# Altium PCB RTM_SFP.PcbDoc (part 5 of 7) (continued)
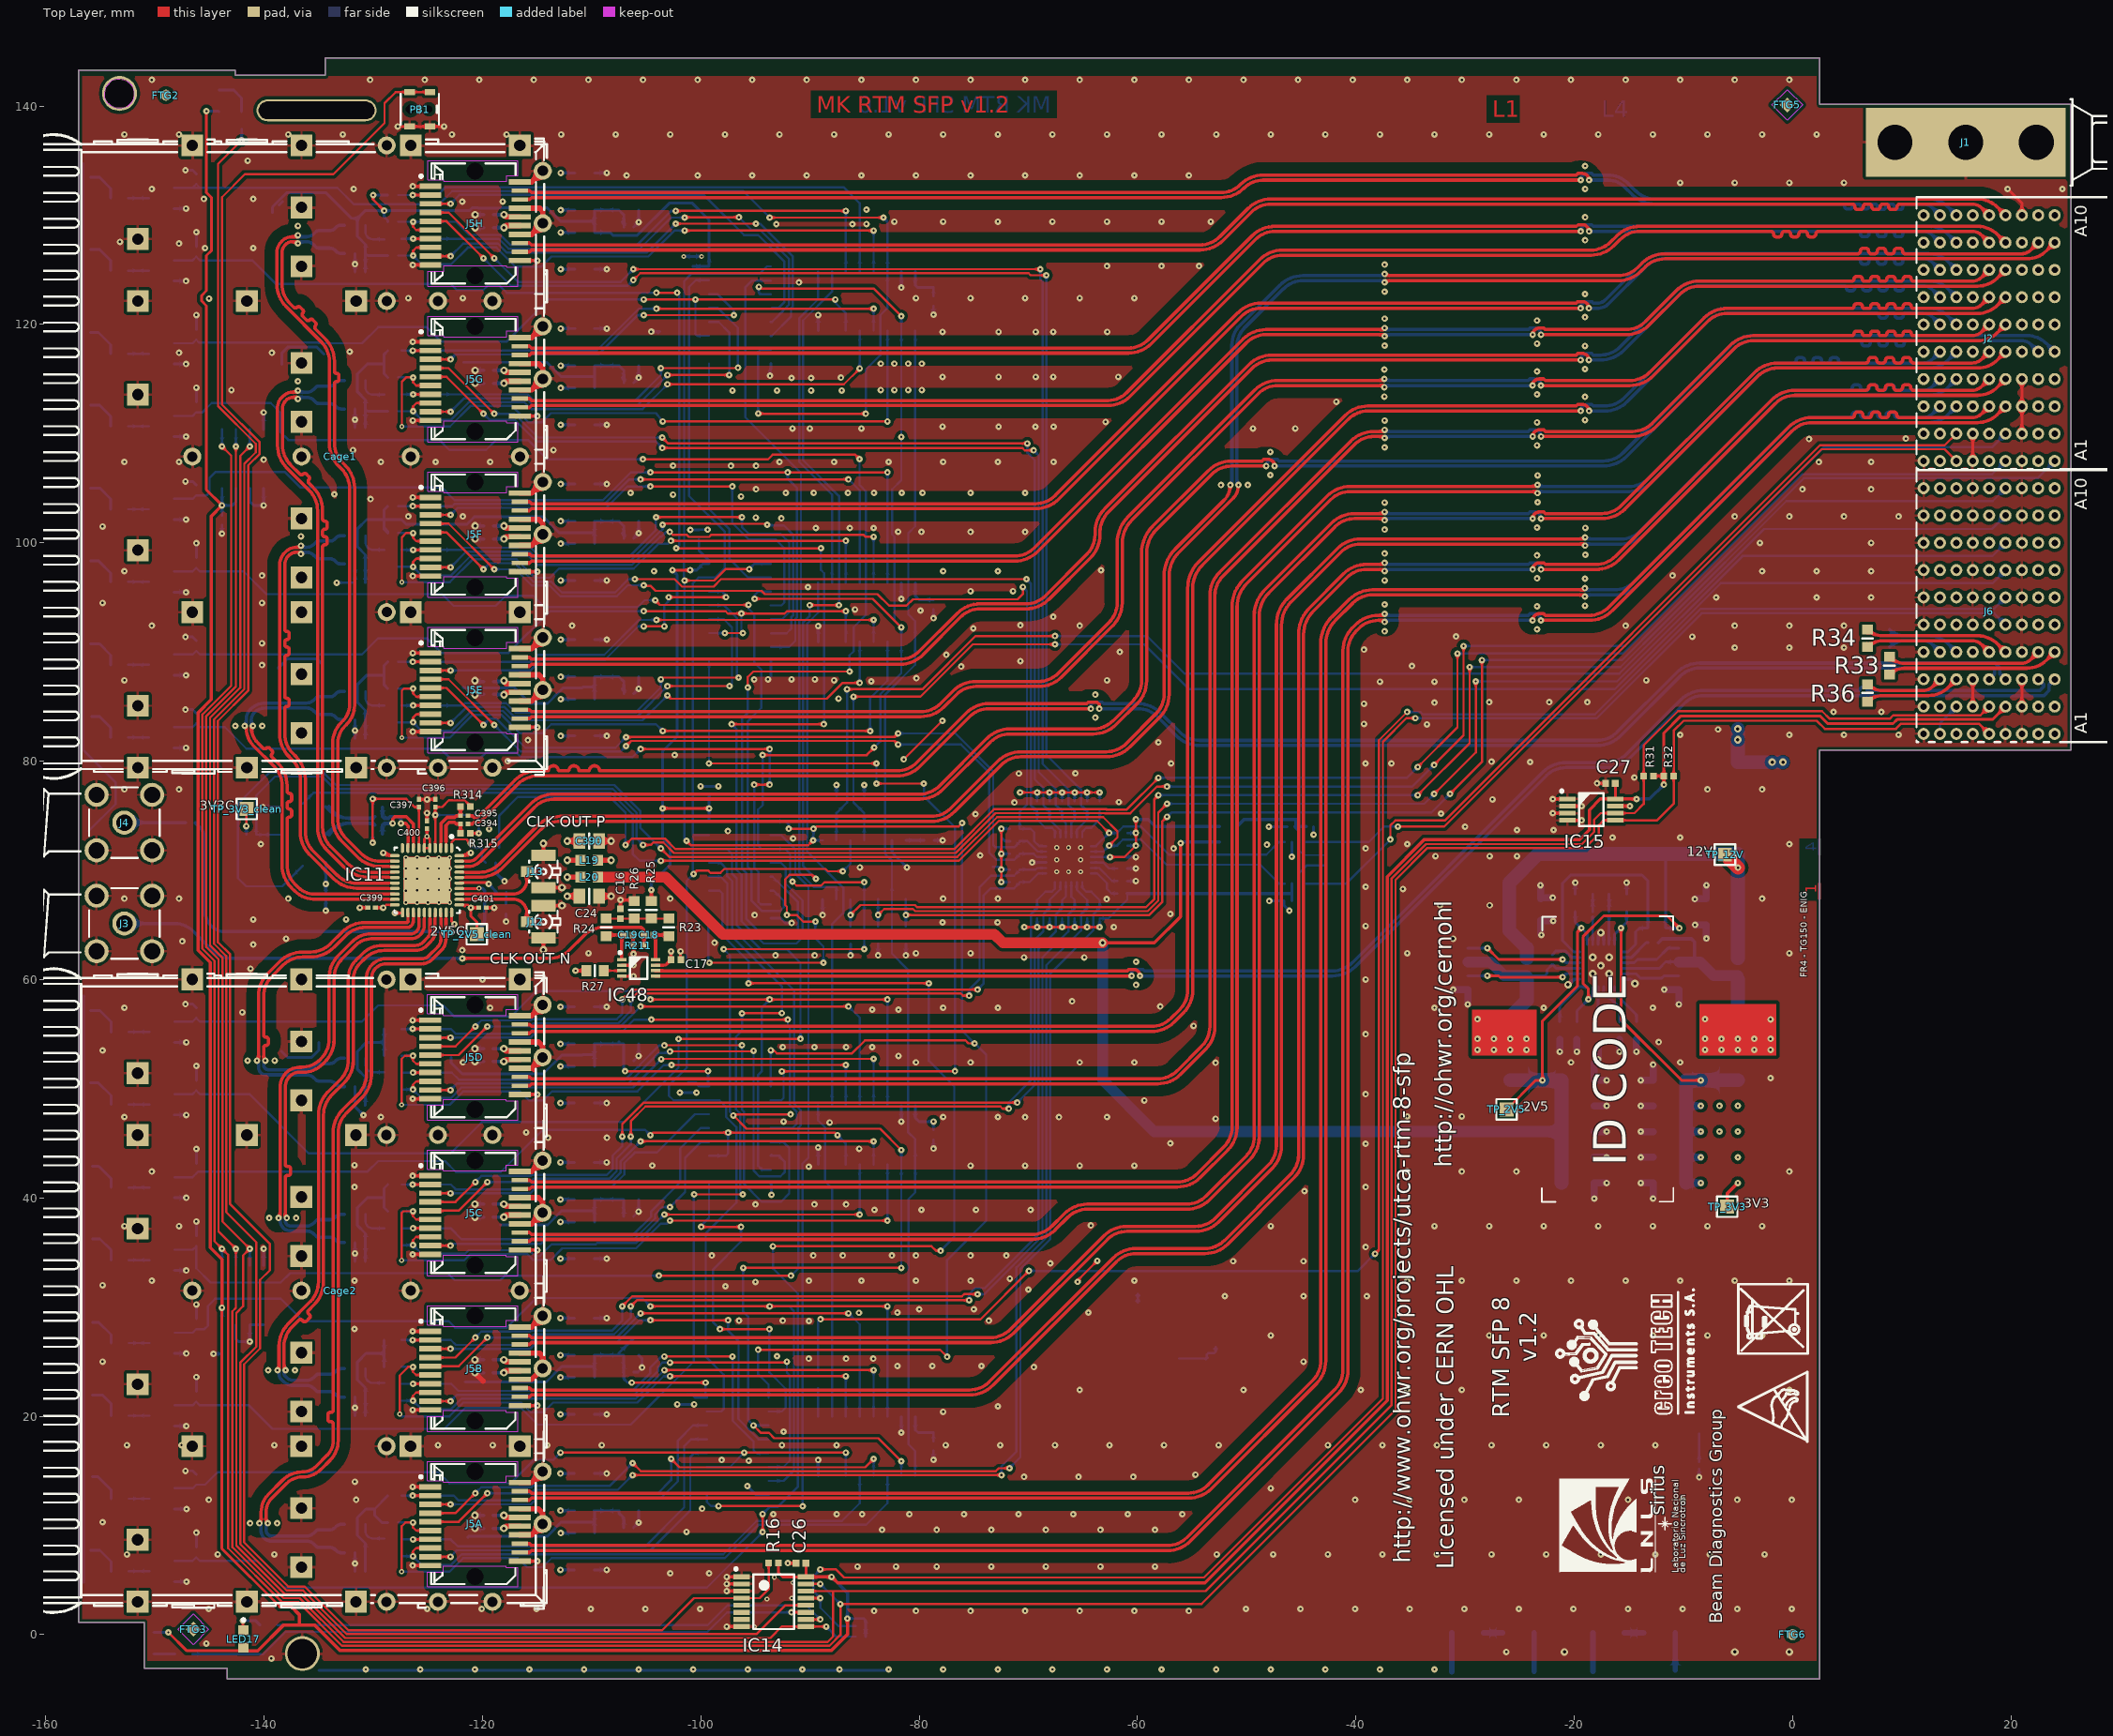
[diagram p0: Top Layer view]
## Nets (pads, with @x,y where several pads share a name; then routed paths per layer and width w, separated by ;. In a path a pad name is that pad's centre, name@x,y a point inside that pad or via, vN(x,y) a via of type N, cw(c..) or ccw(c..) an arc to the next point about the centre after c; other vN are vias at no path point) (continued)
  Bottom Layer w0.305: v1(-19.01,99.745) -18.862,99.893 -15.696,99.893 ccw(c-15.696,102.876) -13.587,100.767 -1.585,112.769 cw(c0.211,110.973) 0.211,113.513 12.461,113.513 ccw(c12.461,116.053) 14.257,114.257 J2.E4@15,115
SFP8RX_N: J2.D3 J5A.12 | length 219.3
  Top Layer w0.305: J5A.12@-116.59,7.526 -115.681,7.526 -115.509,7.698 -57.237,7.698 ccw(c-57.237,10.605) -55.18,8.549 -41.599,22.131 ccw(c-43.699,24.231) -40.729,24.231 -40.729,90.117 cw(c-38.189,90.117) -39.985,91.913 -39.746,92.152 cw(c-37.949,90.356) -37.949,92.896 -37.521,92.896 v1(-37.373,92.748) ; v1(-23.811,92.896) cw(c-23.207,92.896) -23.207,93.501 -22.801,93.501 -22.653,93.353 -18.645,93.353 ccw(c-18.645,95.893) -16.849,94.097 -0.345,110.602 cw(c1.751,108.507) 1.751,111.47 5.425,111.47 ccw(c5.42,111.725) 5.675,111.725 cw(c5.925,111.725) 5.925,111.975 6.18,111.975 cw(c6.18,111.725) 6.43,111.725 ccw(c6.685,111.725) 6.685,111.47 6.98,111.47 ccw(c6.975,111.725) 7.23,111.725 cw(c7.48,111.725) 7.48,111.975 7.735,111.975 cw(c7.735,111.725) 7.985,111.725 ccw(c8.24,111.725) 8.24,111.47 8.535,111.47 ccw(c8.53,111.725) 8.785,111.725 cw(c9.035,111.725) 9.035,111.975 9.29,111.975 cw(c9.29,111.725) 9.54,111.725 ccw(c9.795,111.725) 9.795,111.47 16.439,111.47 ccw(c16.439,112.752) 17.345,111.845 J2.D3@18,112.5
  Bottom Layer w0.305: v1(-37.373,92.748) -37.226,92.896 v1(-23.811,92.896)
SFP8RX_P: J2.C3 J5A.13 | length 219.2
  Top Layer w0.305: J5A.13@-116.59,8.326 -115.681,8.326 -115.509,8.155 -57.274,8.155 ccw(c-57.274,10.695) -55.478,8.899 -41.93,22.446 ccw(c-43.726,24.242) -41.186,24.242 -41.186,90.124 cw(c-38.207,90.124) -40.313,92.231 -40.056,92.488 cw(c-37.967,90.398) -37.967,93.353 -37.521,93.353 v1(-37.373,93.501) ; v1(-23.051,92.896) -18.636,92.896 ccw(c-18.636,95.871) -16.533,93.767 -0.031,110.269 cw(c1.765,108.473) 1.765,111.013 16.961,111.013 ccw(c16.961,113.553) 18.757,111.757 J2.C3@19.5,112.5
  Bottom Layer w0.305: v1(-37.373,93.501) -37.226,93.353 -24.21,93.353 -24.062,93.501 -23.656,93.501 cw(c-23.656,92.896) v1(-23.051,92.896)
SFP8TX_N: J2.F3 J5A.19 | length 212.4
  Top Layer w0.305: J5A.19@-116.59,13.126 -115.681,13.126 -115.509,12.955 -55.347,12.955 ccw(c-55.347,15.495) -53.551,13.699 -43.962,23.288 ccw(c-45.758,25.084) -43.218,25.084 -43.218,90.787 cw(c-39.807,90.787) -42.219,93.199 -40.597,94.821 cw(c-38.498,92.722) -38.498,95.69 -19.178,95.69 v1(-19.03,95.838)
  Bottom Layer w0.305: v1(-19.03,95.838) -18.882,95.69 -16.309,95.69 ccw(c-16.309,98.23) -14.513,96.434 -0.351,110.596 cw(c1.76,108.485) 1.76,111.47 5.209,111.47 ccw(c5.209,111.725) 5.464,111.725 cw(c5.704,111.725) 5.704,111.965 5.979,111.965 cw(c5.979,111.725) 6.219,111.725 ccw(c6.474,111.725) 6.474,111.47 6.764,111.47 ccw(c6.764,111.725) 7.019,111.725 cw(c7.259,111.725) 7.259,111.965 7.534,111.965 cw(c7.534,111.725) 7.774,111.725 ccw(c8.029,111.725) 8.029,111.47 8.319,111.47 ccw(c8.319,111.725) 8.574,111.725 cw(c8.814,111.725) 8.814,111.965 9.089,111.965 cw(c9.089,111.725) 9.329,111.725 ccw(c9.584,111.725) 9.579,111.47 11.939,111.47 ccw(c11.939,112.752) 12.845,111.845 J2.F3@13.5,112.5
SFP8TX_P: J2.E3 J5A.18 | length 212.4
  Top Layer w0.305: J5A.18@-116.59,12.326 -115.681,12.326 -115.509,12.498 -55.327,12.498 ccw(c-55.327,15.446) -53.242,13.361 -43.636,22.968 ccw(c-45.748,25.08) -42.761,25.08 -42.761,90.769 cw(c-39.764,90.769) -41.883,92.888 -40.283,94.489 cw(c-38.486,92.693) -38.486,95.233 -19.178,95.233 v1(-19.03,95.085) v1@-19.03,95.143
  Bottom Layer w0.305: v1(-19.03,95.085) -18.882,95.233 -16.299,95.233 ccw(c-16.299,98.207) -14.196,96.104 -0.031,110.269 cw(c1.765,108.473) 1.765,111.013 12.461,111.013 ccw(c12.461,113.553) 14.257,111.757 J2.E3@15,112.5
SFP_CLK1.CLOCK_N: IC11.13 IC20H.4 R105H.2 | length 70
  Top Layer w0.254: -128.632,70.361 -128.611,70.34 IC11.13@-128.08,70.34
  Top Layer w0.305: -138.41,127.6 ccw(c-137.396,126.586) -138.83,126.586 -138.83,123.71 ccw(c-135.844,123.71) -137.955,121.598 -134.771,118.414 cw(c-136.567,116.618) -134.027,116.618 -134.027,109.113 ccw(c-131.067,109.113) -133.16,107.02 -132.924,106.784 cw(c-134.72,104.988) -132.18,104.988 -132.18,85.191 cw(c-134.331,85.191) -132.81,83.67 -132.96,83.52 ccw(c-131.126,81.686) -133.72,81.686 -133.72,74.716 ccw(c-130.782,74.716) -132.859,72.638 ; -138.4,127.61 -138.343,127.667 cw(c-137.47,126.794) -137.47,128.029 -137.058,128.029 v1(-136.91,128.176) ; -132.859,72.638 -131.441,71.219 ; -131.441,71.219 ccw(c-129.37,73.291) -129.37,70.361 -128.632,70.361
  Bottom Layer w0.305: v1(-136.91,128.176) -136.762,128.029 -136.123,128.029 ccw(c-136.123,128.973) -135.455,128.305 -135.273,128.487 cw(c-135.001,128.215) -135.001,128.6 -133.986,128.6 ccw(c-133.986,129.266) -133.515,128.795 -133.408,128.902 cw(c-132.93,128.424) -132.93,129.1 IC20H.4@-132.63,129.1
SFP_CLK1.CLOCK_P: IC11.12 IC20H.3 R105H.1 | length 70
  Top Layer w0.254: -128.632,70.819 -128.611,70.84 IC11.12@-128.08,70.84
  Top Layer w0.305: -138.02,127.343 -138.082,127.281 ccw(c-137.381,126.58) -138.373,126.58 -138.373,123.714 ccw(c-135.833,123.714) -137.629,121.918 -137.281,121.57 ccw(c-137.136,121.715) -136.991,121.57 cw(c-136.839,121.418) -136.687,121.57 -136.464,121.347 cw(c-136.616,121.195) -136.464,121.043 ccw(c-136.319,120.898) -136.464,120.753 -136.125,120.415 ccw(c-135.98,120.56) -135.835,120.415 cw(c-135.683,120.263) -135.531,120.415 -135.309,120.192 cw(c-135.461,120.04) -135.309,119.888 ccw(c-135.164,119.743) -135.309,119.598 -134.446,118.736 cw(c-136.562,116.62) -133.57,116.62 -133.57,115.725 ccw(c-133.365,115.725) -133.365,115.52 cw(c-133.365,115.305) -133.15,115.305 -133.15,114.99 cw(c-133.365,114.99) -133.365,114.775 ccw(c-133.365,114.57) -133.57,114.57 -133.57,109.129 ccw(c-131.03,109.129) -132.826,107.333 -132.576,107.083 cw(c-134.637,105.022) -131.723,105.022 -131.723,85.11 cw(c-134.193,85.11) -132.446,83.364 -132.614,83.196 ccw(c-131.048,81.63) -133.263,81.63 -133.263,74.74 ccw(c-130.723,74.74) -132.519,72.944 -131.138,71.563 ccw(c-129.341,73.359) -129.341,70.819 -128.632,70.819 ; -138.019,127.344 cw(c-137.47,126.793) -137.47,127.571 -137.058,127.571 v1(-136.91,127.424)
  Bottom Layer w0.305: v1(-136.91,127.424) -136.762,127.571 -136.118,127.571 cw(c-136.118,126.641) -135.46,127.299 -135.274,127.113 ccw(c-135.001,127.386) -135.001,127 -134.035,127 cw(c-134.035,126.215) -133.48,126.77 -133.401,126.691 ccw(c-132.94,127.152) -132.94,126.5 IC20H.3@-132.63,126.5
SFP_CLK2.CLOCK_N: IC11.15 IC20G.4 R105G.2 | length 56.5
  Top Layer w0.254: -128.631,69.36 -128.611,69.34 IC11.15@-128.08,69.34
  Top Layer w0.305: v1(-136.91,113.936) -137.058,113.789 -137.41,113.789 ccw(c-137.41,112.586) -138.26,113.436 -138.424,113.273 ccw(c-137.571,112.42) -138.777,112.42 -138.777,108.932 ccw(c-135.797,108.932) -137.904,106.824 -135.854,104.774 cw(c-137.65,102.978) -135.11,102.978 -135.11,73.94 ccw(c-132.149,73.94) -134.243,71.846 ; -134.243,71.846 -132.747,70.35 ccw(c-130.356,72.741) -130.356,69.36 -128.631,69.36
  Bottom Layer w0.305: v1(-136.91,113.936) -136.762,113.789 -136.123,113.789 ccw(c-136.123,114.733) -135.455,114.065 -135.273,114.247 cw(c-135.001,113.975) -135.001,114.36 -133.986,114.36 ccw(c-133.986,115.026) -133.515,114.555 -133.408,114.662 ; -133.408,114.662 cw(c-132.93,114.184) -132.93,114.86 IC20G.4@-132.63,114.86
SFP_CLK2.CLOCK_P: IC11.14 IC20G.3 R105G.1 | length 56.5
  Top Layer w0.254: -128.631,69.82 -128.611,69.84 IC11.14@-128.08,69.84
  Top Layer w0.305: v1(-136.91,113.184) -137.058,113.331 -137.349,113.331 ccw(c-137.349,112.439) -137.98,113.07 -138.02,113.03 ccw(c-137.293,112.305) -138.32,112.305 -138.32,108.939 ccw(c-135.78,108.939) -137.576,107.143 -136.728,106.295 ccw(c-136.583,106.44) -136.439,106.295 cw(c-136.286,106.143) -136.134,106.295 -135.912,106.072 cw(c-136.064,105.92) -135.912,105.768 ccw(c-135.767,105.623) -135.912,105.478 -135.522,105.088 cw(c-137.619,102.991) -134.653,102.991 -134.653,102.192 ccw(c-134.448,102.192) -134.448,101.987 cw(c-134.448,101.772) -134.233,101.772 -134.233,101.457 cw(c-134.448,101.457) -134.448,101.242 ccw(c-134.448,101.037) -134.653,101.037 -134.653,100.765 ccw(c-134.448,100.765) -134.448,100.56 cw(c-134.448,100.345) -134.233,100.345 -134.233,100.03 cw(c-134.448,100.03) -134.448,99.815 ccw(c-134.448,99.61) -134.653,99.61 -134.653,73.955 ccw(c-132.113,73.955) -133.909,72.159 -132.448,70.698 ccw(c-130.329,72.817) -130.329,69.82 -128.631,69.82
  Bottom Layer w0.305: v1(-136.91,113.184) -136.762,113.331 -136.118,113.331 cw(c-136.118,112.401) -135.46,113.059 -135.274,112.873 ccw(c-135.001,113.146) -135.001,112.76 -134.035,112.76 cw(c-134.035,111.975) -133.48,112.53 -133.401,112.451 ccw(c-132.94,112.912) -132.94,112.26 IC20G.3@-132.63,112.26
SFP_CLK3.CLOCK_N: IC11.17 IC20F.4 R105F.2 | length 43.5
  Top Layer w0.254: -128.631,68.36 -128.611,68.34 IC11.17@-128.08,68.34
  Top Layer w0.305: v1(-136.64,99.736) -136.788,99.589 -137.07,99.589 ccw(c-137.07,98.242) -138.022,99.195 -138.107,99.11 ccw(c-136.97,97.974) -138.577,97.974 -138.577,82.502 ccw(c-135.597,82.502) -137.704,80.394 -137.431,80.121 cw(c-139.227,78.325) -136.687,78.325 -136.687,73.491 ccw(c-133.79,73.491) -135.839,71.442 -133.63,69.233 ccw(c-131.522,71.341) -131.522,68.36 -128.631,68.36
  Bottom Layer w0.305: v1(-136.64,99.736) -136.492,99.589 -136.123,99.589 ccw(c-136.123,100.533) -135.455,99.865 ; -135.455,99.866 -135.273,100.047 cw(c-135.001,99.775) -135.001,100.16 -133.986,100.16 ccw(c-133.986,100.826) -133.515,100.355 -133.408,100.462 ; -133.408,100.462 cw(c-132.93,99.984) -132.93,100.66 IC20F.4@-132.63,100.66
SFP_CLK3.CLOCK_P: IC11.16 IC20F.3 R105F.1 | length 43.5
  Top Layer w0.254: -128.631,68.82 -128.611,68.84 IC11.16@-128.08,68.84
  Top Layer w0.305: v1(-136.64,98.984) -136.788,99.131 -137.07,99.131 ccw(c-137.07,98.242) -137.699,98.871 -137.78,98.79 ccw(c-136.957,97.968) -138.12,97.968 -138.12,92.082 ccw(c-137.915,92.082) -137.915,91.877 cw(c-137.915,91.662) -137.7,91.662 -137.7,91.347 cw(c-137.915,91.347) -137.915,91.132 ccw(c-137.915,90.927) -138.12,90.927 -138.12,90.655 ccw(c-137.915,90.655) -137.915,90.45 cw(c-137.915,90.235) -137.7,90.235 -137.7,89.92 cw(c-137.915,89.92) -137.915,89.705 ccw(c-137.915,89.5) -138.12,89.5 -138.12,85.965 ccw(c-137.915,85.965) -137.915,85.76 cw(c-137.915,85.545) -137.7,85.545 -137.7,85.23 cw(c-137.915,85.23) -137.915,85.015 ccw(c-137.915,84.81) -138.12,84.81 -138.12,82.509 ccw(c-135.58,82.509) -137.376,80.713 -137.095,80.431 cw(c-139.182,78.344) -136.23,78.344 -136.23,73.532 ccw(c-133.69,73.532) -135.486,71.736 -133.314,69.564 ccw(c-131.518,71.36) -131.518,68.82 -128.631,68.82
  Bottom Layer w0.305: v1(-136.64,98.984) -136.492,99.131 -136.118,99.131 cw(c-136.118,98.201) -135.46,98.859 -135.274,98.673 ccw(c-135.001,98.946) -135.001,98.56 -134.035,98.56 cw(c-134.035,97.775) -133.48,98.33 -133.401,98.251 ccw(c-132.94,98.712) -132.94,98.06 IC20F.3@-132.63,98.06
SFP_CLK4.CLOCK_N: IC11.19 IC20E.4 R105E.2 | length 36.6
  Top Layer w0.254: -128.631,67.36 -128.611,67.34 IC11.19@-128.08,67.34
  Top Layer w0.305: v1@-141.637,83.082 -141.637,83.015 ccw(c-139.373,83.015) -140.975,81.415 ccw(c-139.373,83.015) -140.974,81.414 -139.101,79.541 cw(c-140.897,77.745) -138.357,77.745 -138.357,70.489 ccw(c-135.391,70.489) -137.488,68.392 -137.201,68.104 ccw(c-135.404,69.9) -135.524,67.363 ; -135.524,67.36 -128.631,67.36
  Bottom Layer w0.305: v1(-141.785,83.23) -141.637,83.378 -141.637,83.86 cw(c-140.423,83.86) -141.282,84.718 -141.224,84.776 cw(c-139.89,83.442) -139.89,85.329 -136.123,85.329 ccw(c-136.123,86.273) -135.455,85.605 -135.273,85.787 cw(c-135.001,85.515) -135.001,85.9 R105E.2@-134.5,85.9 -133.986,85.9 ccw(c-133.986,86.566) -133.515,86.095 -133.408,86.202 cw(c-132.93,85.724) -132.93,86.4 IC20E.4@-132.63,86.4
SFP_CLK4.CLOCK_P: IC11.18 IC20E.3 R105E.1 | length 36.6
  Top Layer w0.254: -128.631,67.82 -128.611,67.84 IC11.18@-128.08,67.84
  Top Layer w0.305: v1@-141.18,83.082 ccw(c-139.21,83.082) -140.603,81.69 -140.102,81.188 ccw(c-139.957,81.333) -139.812,81.188 cw(c-139.66,81.036) -139.508,81.188 -139.285,80.965 cw(c-139.437,80.813) -139.285,80.661 ccw(c-139.14,80.516) -139.285,80.372 -138.773,79.859 cw(c-140.879,77.753) -137.9,77.753 -137.9,77.253 ccw(c-137.695,77.253) -137.695,77.048 cw(c-137.695,76.833) -137.48,76.833 -137.48,76.518 cw(c-137.695,76.518) -137.695,76.303 ccw(c-137.695,76.098) -137.9,76.098 -137.9,75.826 ccw(c-137.695,75.826) -137.695,75.621 cw(c-137.695,75.406) -137.48,75.406 -137.48,75.091 cw(c-137.695,75.091) -137.695,74.876 ccw(c-137.695,74.671) -137.9,74.671 -137.9,70.502 ccw(c-135.36,70.502) -137.156,68.706 -136.881,68.431 ccw(c-135.406,69.907) -135.406,67.82 -128.631,67.82
  Bottom Layer w0.305: v1(-141.032,83.23) -141.18,83.378 -141.18,83.79 cw(c-140.254,83.79) -140.909,84.444 ; -140.907,84.446 cw(c-139.878,83.414) -139.878,84.871 -136.118,84.871 cw(c-136.118,83.941) -135.46,84.599 -135.274,84.413 ccw(c-135.001,84.686) -135.001,84.3 R105E.1@-134.5,84.3 -134.035,84.3 cw(c-134.035,83.515) -133.48,84.07 -133.401,83.991 ccw(c-132.94,84.452) -132.94,83.8 IC20E.3@-132.63,83.8
SFP_CLK5.CLOCK_N: IC11.23 IC20D.4 R105D.2 | length 32.8
  Top Layer w0.254: -126.351,65.538 -126.33,65.559 IC11.23@-126.33,66.09
  Top Layer w0.305: v1(-139.902,52.58) -140.05,52.728 -140.05,53.77 cw(c-139.845,53.77) -139.845,53.975 ; -139.845,54.72 cw(c-139.845,54.925) -140.05,54.925 -140.05,58.481 cw(c-137.51,58.481) -139.306,60.277 -138.264,61.319 cw(c-136.468,59.523) -136.468,62.063 -135.738,62.063 ccw(c-135.738,65.059) -133.62,62.94 -132.531,64.029 cw(c-130.735,62.233) -130.735,64.773 -126.908,64.773 ccw(c-126.908,65.331) -126.35,65.331 -126.35,65.537 ; -139.825,53.975 ccw(c-139.825,54.19) -139.61,54.19 -139.61,54.505 ccw(c-139.825,54.505) -139.825,54.72 ; -126.351,65.35 -126.351,65.538
  Bottom Layer w0.305: v1@-140.015,52.467 v1(-139.902,52.58) ccw(c-139.902,52.432) -140.05,52.432 -140.05,52.186 ccw(c-139.593,52.186) -139.593,51.729 -138.75,51.729 -138,51.729 -136.123,51.729 ccw(c-136.123,52.673) -135.455,52.005 ; -135.455,52.006 -135.273,52.187 cw(c-135.001,51.915) -135.001,52.3 -133.986,52.3 ccw(c-133.986,52.966) -133.515,52.495 -133.408,52.602 ; -133.408,52.602 cw(c-132.93,52.124) -132.93,52.8 IC20D.4@-132.63,52.8
SFP_CLK5.CLOCK_P: IC11.22 IC20D.3 R105D.1 | length 32.8
  Top Layer w0.254: -126.83,65.32 IC11.22@-126.83,66.09
  Top Layer w0.305: v1(-140.655,52.58) -140.507,52.728 -140.507,58.516 cw(c-137.594,58.516) -139.654,60.575 -138.575,61.654 cw(c-136.485,59.563) -136.485,62.52 -135.739,62.52 ccw(c-135.739,65.06) -133.943,63.264 -132.845,64.362 cw(c-130.749,62.267) -130.749,65.23 -126.92,65.23 ccw(c-126.92,65.32) -126.83,65.32
  Bottom Layer w0.305: v1(-140.655,52.58) cw(c-140.655,52.433) -140.507,52.433 -140.507,51.939 ccw(c-139.839,51.939) -139.839,51.271 -138.561,51.271 ; -138.561,51.271 -138,51.271 -136.118,51.271 cw(c-136.118,50.341) -135.46,50.999 -135.274,50.813 ccw(c-135.001,51.086) -135.001,50.7 -134.035,50.7 cw(c-134.035,49.915) -133.48,50.47 -133.401,50.391 ccw(c-132.94,50.852) -132.94,50.2 IC20D.3@-132.63,50.2
SFP_CLK6.CLOCK_N: IC11.25 IC20C.4 R105C.2 | length 43.6
  Top Layer w0.254: -125.351,65.538 -125.33,65.559 IC11.25@-125.33,66.09
  Top Layer w0.305: v1(-137.932,38.16) -138.08,38.308 -138.08,41.84 cw(c-137.875,41.84) -137.875,42.045 -137.815,42.045 ccw(c-137.815,42.275) -137.586,42.26 -137.586,42.675 ccw(c-137.815,42.66) -137.815,42.89 -137.875,42.89 cw(c-137.875,43.095) -138.08,43.095 -138.08,50.119 cw(c-136.646,50.119) -137.66,51.133 ; -137.659,51.134 cw(c-136.767,50.24) -136.767,51.503 -136.443,51.503 ccw(c-136.443,54.043) -134.647,52.247 -134.457,52.436 ccw(c-136.526,54.506) -133.6,54.506 -133.6,60.098 cw(c-131.06,60.098) -132.856,61.894 -131.595,63.155 cw(c-130.2,61.76) -130.2,63.733 -126.566,63.733 ccw(c-126.566,64.948) -125.351,64.948 -125.351,65.538
  Bottom Layer w0.305: v1(-137.932,38.16) -138.08,38.012 -138.08,37.932 ccw(c-137.568,37.932) -137.93,37.57 ccw(c-137.589,37.911) -137.589,37.429 -136.123,37.429 ccw(c-136.123,38.373) -135.455,37.705 -135.273,37.887 cw(c-135.001,37.615) -135.001,38 -133.986,38 ccw(c-133.986,38.666) -133.515,38.195 -133.408,38.302 ; -133.408,38.302 cw(c-132.93,37.824) -132.93,38.5 IC20C.4@-132.63,38.5
SFP_CLK6.CLOCK_P: IC11.24 IC20C.3 R105C.1 | length 43.5
  Top Layer w0.254: IC11.24@-125.83,66.09 -125.83,65.559 -125.809,65.538
  Top Layer w0.305: v1(-138.685,38.16) -138.537,38.308 -138.537,50.121 cw(c-136.651,50.121) -137.986,51.454 ; -137.981,51.458 cw(c-136.77,50.247) -136.77,51.96 -136.612,51.96 ccw(c-136.612,54.452) -134.851,52.689 ; -134.801,52.739 ccw(c-136.597,54.535) -134.057,54.535 -134.057,60.136 cw(c-131.152,60.136) -133.206,62.19 -131.918,63.478 cw(c-130.2,61.76) -130.2,64.19 -126.582,64.19 ccw(c-126.582,64.964) -125.809,64.964 -125.809,65.538
  Bottom Layer w0.305: v1(-138.685,38.16) v1@-138.537,38.012 ; v1@-138.537,37.932 ccw(c-137.568,37.932) -138.254,37.247 ; -138.253,37.246 ccw(c-137.589,37.911) -137.589,36.971 -136.118,36.971 cw(c-136.118,36.041) -135.46,36.699 -135.274,36.513 ccw(c-135.001,36.786) -135.001,36.4 -134.035,36.4 cw(c-134.035,35.615) -133.48,36.17 -133.401,36.091 ccw(c-132.94,36.552) -132.94,35.9 IC20C.3@-132.63,35.9
SFP_CLK7.CLOCK_N: IC11.27 IC20B.4 R105B.2 | length 56.8
  Top Layer w0.254: -124.351,65.538 -124.33,65.559 IC11.27@-124.33,66.09
  Top Layer w0.305: v1(-138.035,24.21) -138.183,24.358 -138.183,26.4 cw(c-135.653,26.4) -137.442,28.189 -136.828,28.803 cw(c-136.683,28.658) -136.538,28.803 -136.456,28.72 ccw(c-136.293,28.883) -136.141,28.71 -135.848,29.003 ccw(c-136.021,29.155) -135.858,29.318 -135.941,29.4 cw(c-135.796,29.545) -135.941,29.69 -135.431,30.2 ccw(c-137.509,32.278) -134.57,32.278 -134.57,47.598 cw(c-132.03,47.598) -133.826,49.394 -132.686,50.534 ccw(c-134.73,52.577) -131.84,52.577 -131.84,60 cw(c-129.74,60) -131.226,61.484 -130.779,61.931 cw(c-129.011,60.161) -129.011,62.663 -126.15,62.663 ccw(c-126.15,64.094) -125.138,63.082 -124.699,63.521 ccw(c-125.538,64.36) -124.351,64.36 -124.351,65.538
  Bottom Layer w0.305: v1(-138.035,24.21) -138.183,24.062 -138.18,24.06 -138.18,23.91 ccw(c-137.859,23.91) -138.086,23.683 -137.951,23.548 ccw(c-137.3,24.2) -137.3,23.279 -136.123,23.279 ccw(c-136.123,24.223) -135.455,23.555 -135.273,23.737 cw(c-135.001,23.465) -135.001,23.85 -133.986,23.85 ccw(c-133.986,24.516) -133.515,24.045 -133.408,24.152 cw(c-132.93,23.674) -132.93,24.35 IC20B.4@-132.63,24.35
SFP_CLK7.CLOCK_P: IC11.26 IC20B.3 R105B.1 | length 56.8
  Top Layer w0.254: IC11.26@-124.83,66.09 -124.83,65.559 -124.809,65.538
  Top Layer w0.305: v1(-138.788,24.21) -138.64,24.358 -138.64,26.417 cw(c-135.695,26.417) -137.777,28.5 -135.771,30.506 ccw(c-137.567,32.302) -135.027,32.302 -135.027,47.62 cw(c-132.084,47.62) -134.165,49.701 -133.041,50.825 ccw(c-134.837,52.621) -132.297,52.621 -132.297,60.084 cw(c-129.942,60.084) -131.607,61.749 -130.981,62.376 cw(c-129.184,60.58) -129.184,63.12 -126.155,63.12 ccw(c-126.155,64.106) -125.458,63.409 -125.043,63.823 ccw(c-125.61,64.39) -124.809,64.39 -124.809,65.538
  Bottom Layer w0.305: v1(-138.788,24.21) -138.64,24.062 -138.64,23.89 ; -138.429,23.379 cw(c-137.917,23.89) -138.64,23.888 ; -138.428,23.379 -138.265,23.215 ccw(c-137.314,24.166) -137.314,22.821 -136.118,22.821 cw(c-136.118,21.891) -135.46,22.549 -135.274,22.363 ccw(c-135.001,22.636) -135.001,22.25 -134.035,22.25 cw(c-134.035,21.465) -133.48,22.02 -133.401,21.941 ccw(c-132.94,22.402) -132.94,21.75 IC20B.3@-132.63,21.75 ; -138.64,23.888 cw(c-137.917,23.89) -138.64,23.89 ; -138.64,23.888 -138.64,23.89
SFP_CLK8.CLOCK_N: IC11.29 IC20A.4 R105A.2 | length 74.2
  Top Layer w0.254: -123.351,65.538 -123.33,65.559 IC11.29@-123.33,66.09
  Top Layer w0.305: v1(-139.679,10.2) -139.827,10.348 -139.827,11.199 cw(c-137.949,11.199) -139.277,12.526 ; -139.277,12.527 -137.985,13.819 cw(c-136.481,12.315) -136.481,14.441 ccw(c-136.481,16.833) -134.79,15.142 ; -134.79,15.142 -133.962,15.969 ccw(c-135.76,17.764) -133.22,17.764 -133.22,45.958 cw(c-130.68,45.958) -132.476,47.754 -131.039,49.191 ccw(c-133.113,51.265) -130.18,51.265 -130.18,60.089 cw(c-128.827,60.089) -129.784,61.046 ; -129.783,61.047 cw(c-128.827,60.089) -128.827,61.443 -125.582,61.443 ccw(c-125.582,62.845) -124.59,61.853 -123.777,62.667 ccw(c-124.803,63.693) -123.351,63.693 -123.351,65.538
  Bottom Layer w0.305: v1(-139.679,10.2) -139.815,10.2 -139.815,9.865 -139.815,9.447 ccw(c-139.272,9.56) -139.667,9.171 ccw(c-139.321,9.517) -139.321,9.027 -136.123,9.027 ccw(c-136.123,9.972) -135.455,9.304 ; -135.455,9.304 -135.273,9.486 cw(c-135.001,9.214) -135.001,9.599 -133.986,9.599 ccw(c-133.986,10.264) -133.515,9.794 -133.408,9.901 ; -133.408,9.901 cw(c-132.93,9.423) -132.93,10.099 IC20A.4@-132.63,10.099
SFP_CLK8.CLOCK_P: IC11.28 IC20A.3 R105A.1 | length 76.2
  Top Layer w0.254: IC11.28@-123.83,66.09 -123.83,65.559 -123.809,65.538
  Top Layer w0.305: v1(-140.432,10.2) -140.284,10.348 -140.284,11.217 cw(c-137.991,11.217) -139.612,12.838 -138.294,14.156 cw(c-136.498,12.36) -136.498,14.9 ccw(c-136.498,16.681) -135.238,15.422 -134.227,16.433 ccw(c-135.555,17.761) -133.677,17.761 -133.677,19.3 ccw(c-133.882,19.3) -133.882,19.505 -133.942,19.505 cw(c-133.942,19.735) -134.172,19.72 -134.172,20.135 cw(c-133.942,20.12) -133.942,20.35 -133.882,20.35 ccw(c-133.882,20.555) -133.677,20.555 -133.677,45.969 cw(c-130.708,45.969) -132.807,48.069 -131.381,49.495 ccw(c-133.177,51.291) -130.637,51.291 -130.637,60.098 cw(c-128.848,60.098) -130.114,61.362 ; -130.097,61.379 cw(c-128.84,60.122) -128.84,61.9 -125.593,61.9 ccw(c-125.593,62.873) -124.905,62.185 -124.112,62.978 ccw(c-124.843,63.71) -123.809,63.71 -123.809,65.538
  Bottom Layer w0.305: v1(-140.432,10.2) -140.284,10.2 -140.284,9.524 ccw(c-139.321,9.524) -139.321,8.561 ; -139.991,8.847 ccw(c-139.321,9.517) -139.326,8.57 ccw(c-139.321,9.517) -139.321,8.57 -139.067,8.57 -136.118,8.57 cw(c-136.118,7.64) -135.46,8.298 -135.274,8.112 ccw(c-135.001,8.384) -135.001,7.999 -134.035,7.999 cw(c-134.035,7.213) -133.48,7.769 -133.401,7.69 ccw(c-132.94,8.151) -132.94,7.499 IC20A.3@-132.63,7.499
SFP_DETECTN1: IC2.11 J5H.6 R403H.1 | length 50.9
  Top Layer w0.203: v1(-126.363,129.4) -126.363,128.948 -126.071,128.656 J5H.6@-124.775,128.656 ; v1(-102.31,130.4) v1(-86.72,130.4)
  Bottom Layer w0.203: R403H.1@-127.73,129.4 v1(-126.363,129.4) -122.4,129.4 -121.205,128.205 -118.375,128.205 -117.46,127.29 -105.835,127.29 -102.725,130.4 v1(-102.31,130.4) ; IC2.11@-86.72,124.836 v1(-86.72,130.4)
SFP_DETECTN2: IC2.3 J5G.6 R403G.1 | length 63.7
  Top Layer w0.203: v3(-127.393,110.653) -127.393,114.754 -126.996,115.15 v1(-126.363,115.15) -126.363,114.698 -126.071,114.406 J5G.6@-124.775,114.406 ; v1(-103.49,111.118) v1(-82.91,111.118)
  Bottom Layer w0.203: R403G.1@-127.73,115.15 v1(-126.363,115.15) ; v3(-127.393,110.653) -122.991,110.653 -121.11,112.533 -117.291,112.533 -115.81,111.053 -114.547,111.053 -113.716,111.884 -104.104,111.884 v1(-103.49,111.118) ; v1(-82.91,111.118) IC2.3@-82.91,119.436
SFP_DETECTN3: IC5.11 J5F.6 R403F.1 | length 57.7
  Top Layer w0.203: v3(-127.393,96.403) -127.393,100.507 -127,100.9 v1(-126.363,100.9) -126.363,100.448 -126.071,100.156 J5F.6@-124.775,100.156 ; v1(-102.75,100.184) v1(-86.72,100.184)
  Bottom Layer w0.203: v3(-127.393,96.403) -122.991,96.403 -120.904,98.49 -116.884,98.49 -115.197,96.803 -113.822,96.803 -112.991,97.634 -106.148,97.634 -103.852,99.93 -103.004,99.93 v1(-102.75,100.184) ; IC5.11@-86.72,96.336 v1(-86.72,100.184) ; R403F.1@-127.73,100.9 v1(-126.363,100.9) R403F.1@-127.73,100.9
SFP_DETECTN4: IC5.3 J5E.6 R403E.1 | length 62.9
  Top Layer w0.203: v3(-127.393,82.153) -127.393,86.468 -127.21,86.65 v1(-126.363,86.65) -126.363,86.198 -126.071,85.906 J5E.6@-124.775,85.906 ; v1(-103.49,82.77) v1@-84.5,82.77 ; v1(-84.49,82.76) v1@-84.5,82.77 ; v1@-84.49,82.77 v1@-84.5,82.77
  Bottom Layer w0.203: R403E.1@-127.73,86.65 v1(-126.363,86.65) ; v3(-127.393,82.153) -122.991,82.153 -120.894,84.25 -118.279,84.25 -116.581,82.553 -114.542,82.553 -113.71,83.384 -104.104,83.384 v1(-103.49,82.77) ; v1(-84.49,82.76) -84.49,85.79 -82.91,87.37 IC5.3@-82.91,90.936
SFP_DETECTN5: IC7.11 J5D.6 R403D.1 | length 55.2
  Top Layer w0.203: v3(-127.407,48.522) -127.407,52.724 -127.111,53.02 v1(-126.377,53.02) -126.377,52.568 -126.085,52.276 J5D.6@-124.79,52.276 ; v1(-102.685,52.176) -86.774,52.176 -86.744,52.146 v1(-86.72,52.17)
  Bottom Layer w0.203: -127.414,53.02 v1(-126.377,53.02) ; v3(-127.407,48.522) -123.005,48.522 -121.774,49.754 -116.564,49.754 -115.732,48.922 -114.472,48.922 -113.64,49.754 -105.816,49.754 -103.421,52.149 -103.401,52.149 -103.386,52.163 -102.698,52.163 v1(-102.685,52.176) ; IC7.11@-86.72,48.456 v1(-86.72,52.17)
SFP_DETECTN6: IC7.3 J5C.6 R403C.1 | length 60.2
  Top Layer w0.203: v3(-127.407,34.272) -127.407,38.614 -127.251,38.77 v1(-126.377,38.77) -126.377,38.318 -126.085,38.026 J5C.6@-124.79,38.026 ; v1(-102.83,37.92) v1(-82.91,37.92)
  Bottom Layer w0.203: -127.414,38.77 v1(-126.377,38.77) ; v3(-127.407,34.272) -121.699,34.272 -121.116,34.855 -115.896,34.855 -115.358,34.317 -113.755,34.317 -112.689,35.384 -105.936,35.384 -103.77,37.55 -103.68,37.64 -103.11,37.64 v1(-102.83,37.92) ; v1(-82.91,37.92) IC7.3@-82.91,43.056
SFP_DETECTN7: IC9.11 J5B.6 R403B.1 | length 55.2
  Top Layer w0.203: v3(-127.584,20.2) -127.584,23.741 -126.805,24.52 v1(-126.377,24.52) -126.377,24.068 -126.085,23.776 J5B.6@-124.79,23.776 ; v1(-102.83,23.67) v1(-86.72,23.67)
  Bottom Layer w0.203: v3(-127.584,20.2) -127.374,19.99 -123.038,19.99 -121.774,21.254 -116.484,21.254 -115.6,20.37 -114.42,20.37 -113.536,21.254 -105.816,21.254 -103.4,23.67 v1(-102.83,23.67) ; -127.414,24.52 v1(-126.377,24.52) ; IC9.11@-86.72,19.956 v1(-86.72,23.67)
SFP_DETECTN8: IC9.3 J5A.6 R403A.1 | length 59.1
  Top Layer w0.203: v3(-127.407,5.772) -127.407,9.917 -127.054,10.27 v1(-126.377,10.27) -126.377,9.818 -126.085,9.526 J5A.6@-124.79,9.526
  Bottom Layer w0.203: R403A.1@-127.73,10.27 v1(-126.377,10.27) ; v3(-127.407,5.772) -123.005,5.772 -121.774,7.004 -116.764,7.004 -115.932,6.172 -114.492,6.172 -113.66,7.004 -97.798,7.004 -94.752,10.05 -84.89,10.05 -82.91,12.03 IC9.3@-82.91,14.556